# Altium PCB UltraZohm_Digital_Resolver.PcbDoc (part 1 of 3) (continued)
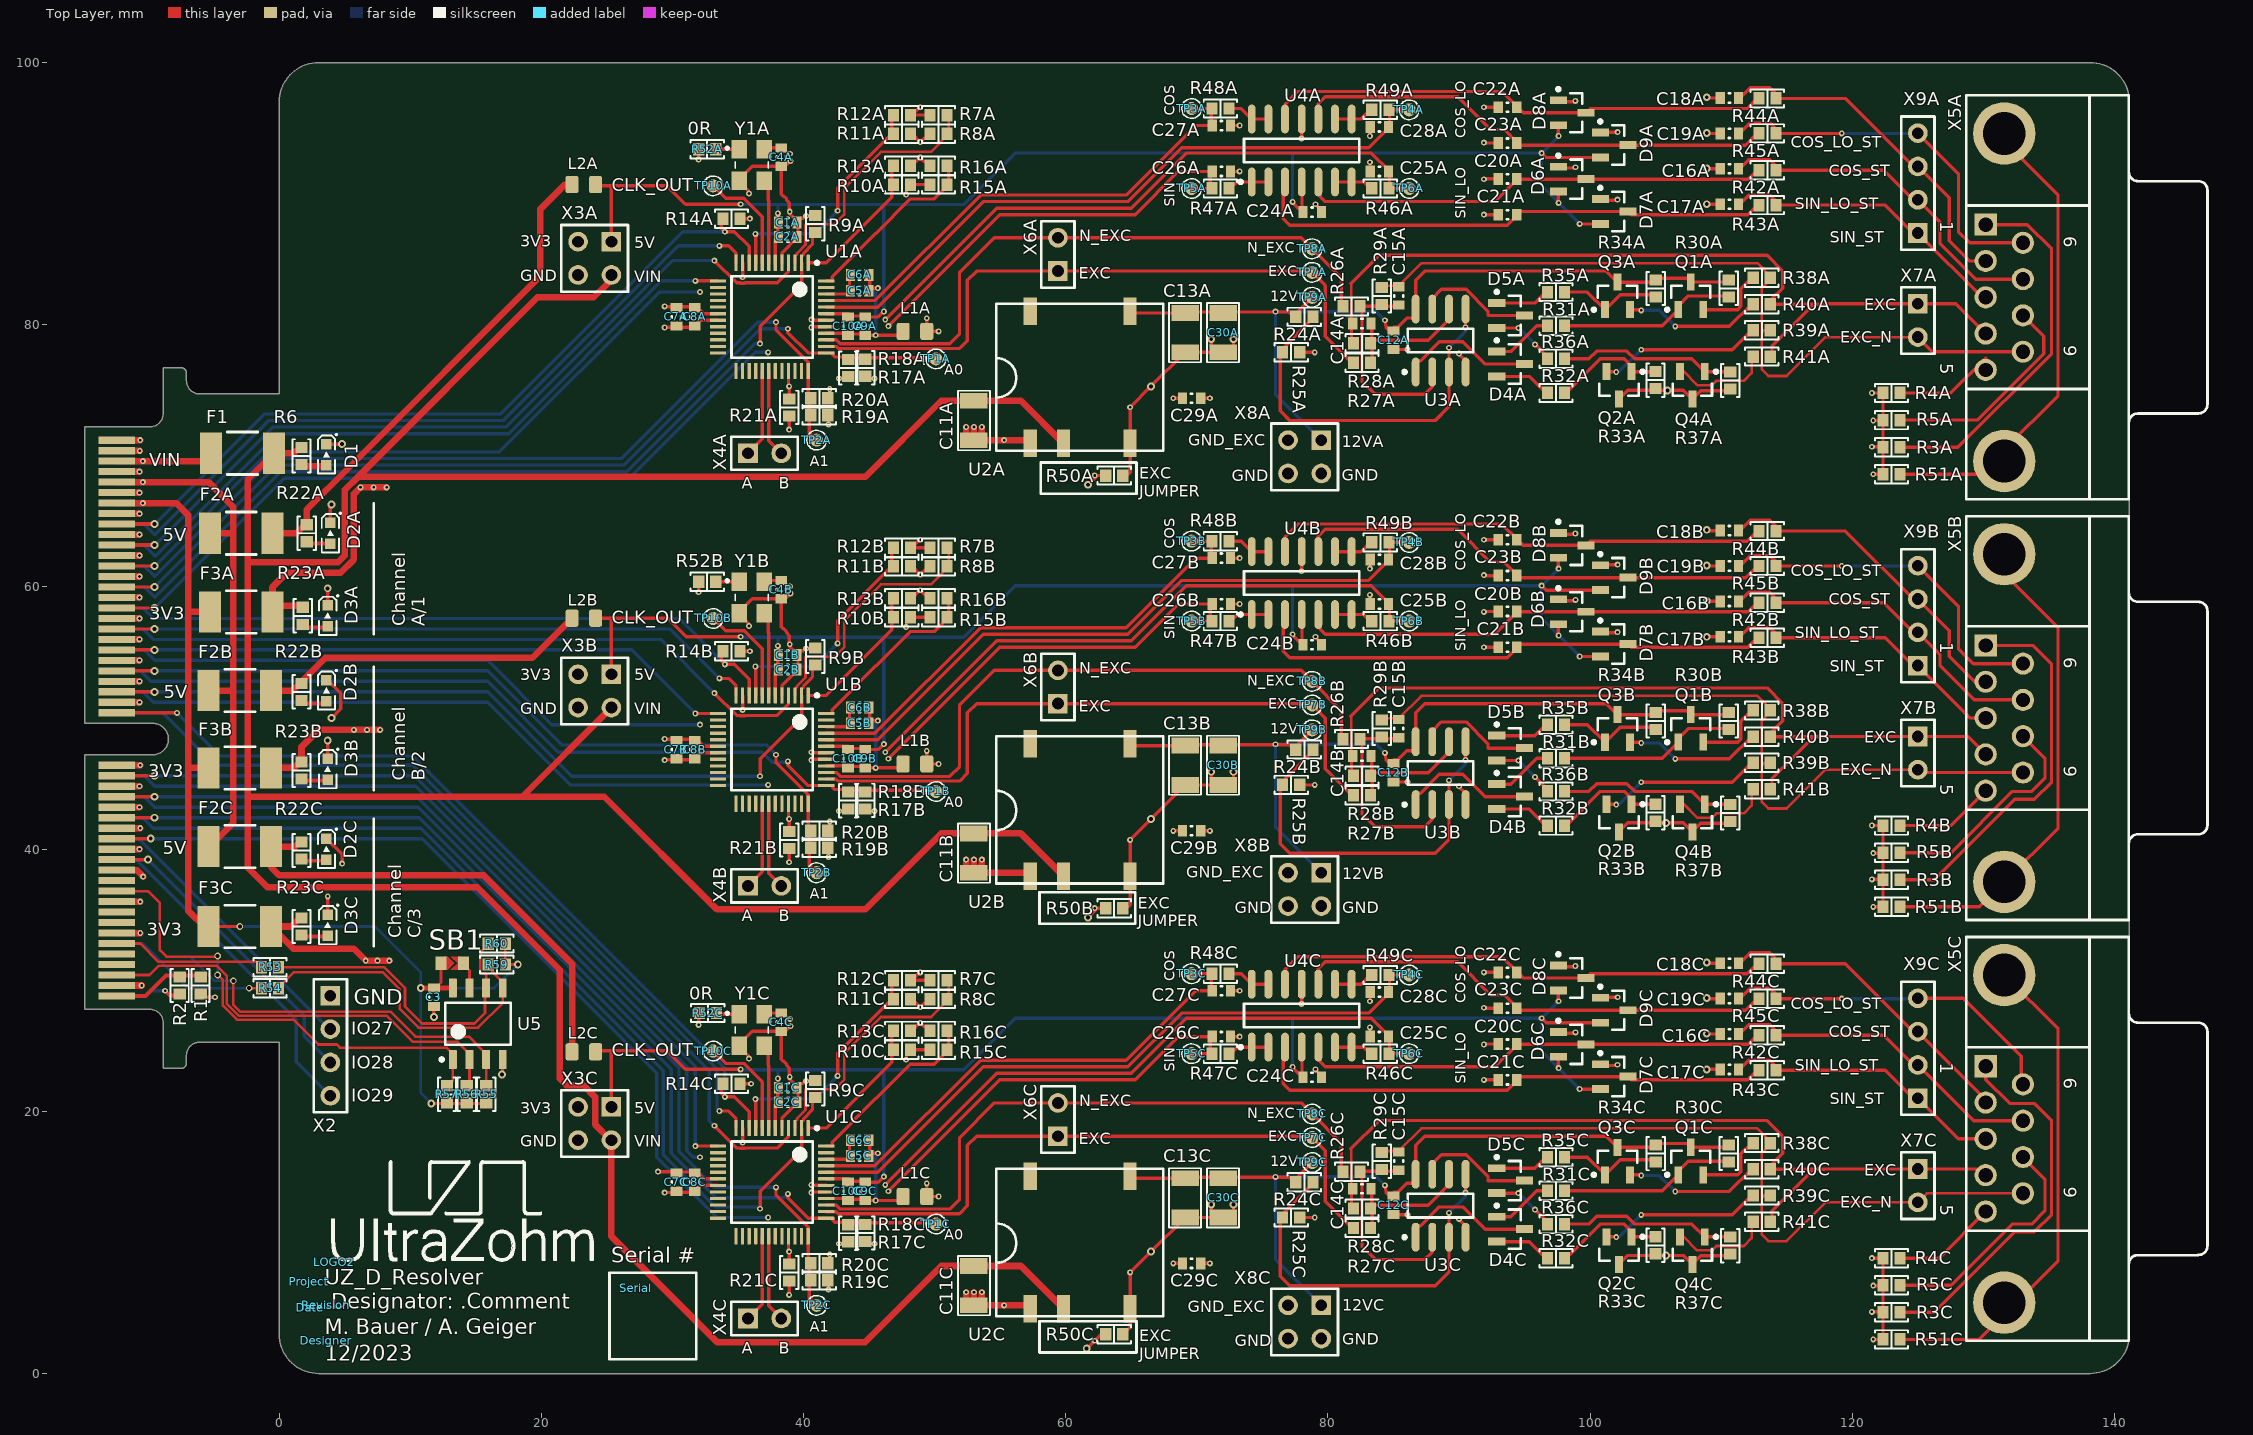
[diagram p0: Top Layer view]
## Design rules (kind name [scope] priority, off if disabled: settings) (continued)
RoutingLayers RoutingLayers_SingleEnded [InNetClass('15V_SingleEnded') or InNetClass('3V3_SingleEnded') or InNetClass('5V_SingleEnded')] p2 off: top layer_v5=TRUE mid layer 1_v5=TRUE mid layer 2_v5=TRUE bottom layer_v5=TRUE
RoutingLayers RoutingLayers_Differential [InNetClass('DifferentialSignals')] p3 off: top layer_v5=TRUE mid layer 1_v5=TRUE mid layer 2_v5=TRUE bottom layer_v5=FALSE
RoutingLayers [All] p4: top layer_v5=TRUE mid layer 1_v5=TRUE mid layer 2_v5=TRUE bottom layer_v5=TRUE
RoutingVias [All] p1: holewidth=0.3 width=0.5 viastyle="Through Hole" minholewidth=0.2 minwidth=0.45 maxholewidth=0.5 maxwidth=1
SolderMaskExpansion [All] p1: expansion=0.102 istentingtop=FALSE
UnRoutedNet UnRoutedNet_Signals [InNetClass('15V_SingleEnded') or InNetClass('3V3_SingleEnded') or InNetClass('5V_SingleEnded') or InNetClass('DifferentialSignals')] p1: checkbadconnections=TRUE
UnRoutedNet [All] p2: checkbadconnections=TRUE
Width Width_Power [InNetClass('Power')] p1: maxlimit=10 minlimit=0.2 preferedwidth=0.3 minimp=50.000000 maximp=50.000000 favimp=50.000000
Width [All] p2: maxlimit=10 minlimit=0.1 preferedwidth=0.3 midlayer1_prefwidth=0.15 midlayer2_prefwidth=0.15 minimp=50.000000 maximp=50.000000 favimp=50.000000
18 further rules are at their usual default settings.

## Classes and differential pairs
channel class "Resolver fuses": "U_Resolver fusesA" "U_Resolver fusesB" "U_Resolver fusesC"
component class "U_Resolver fusesC": D2C D3C F2C F3C L2C R22C R23C
component class "U_Resolver fusesB": D2B D3B F2B F3B L2B R22B R23B
component class "U_Resolver fusesA": D2A D3A F2A F3A L2A R22A R23A
net class Resolver_SDO[1..3]: Resolver_SDO1 Resolver_SDO2 Resolver_SDO3
net class Resolver_SDI[1..3]: Resolver_SDI1 Resolver_SDI2 Resolver_SDI3
net class Resolver_SCLK[1..3]: Resolver_SCLK1 Resolver_SCLK2 Resolver_SCLK3
net class N_SAMPLE[1..3]: N_SAMPLE1 N_SAMPLE2 N_SAMPLE3
net class FSYNC[1..3]: FSYNC1 FSYNC2 FSYNC3
net class A1_Resolver[1..3]: A1_Resolver1 A1_Resolver2 A1_Resolver3
net class A0_Resolver[1..3]: A0_Resolver1 A0_Resolver2 A0_Resolver3
net class \Resolver_CS[1..3]: \Resolver_CS1 \Resolver_CS2 \Resolver_CS3
net class \Reset_Resolver[1..3]: \Reset_Resolver1 \Reset_Resolver2 \Reset_Resolver3
channel class Resolver: U_ResolverA U_ResolverB U_ResolverC
channel class "Impedance converter": "Impedance ConverterA" "Impedance ConverterB" "Impedance ConverterC"
channel class Buffer_EXC: Buffer_EXCA Buffer_EXCB Buffer_EXCC
component class U_ResolverC: C1C C2C C4C C5C C6C C7C C8C C9C C10C C29C L1C R3C R4C R5C R7C R8C R9C R10C R11C R12C R13C R14C R15C R16C R17C R18C R19C R20C R21C R50C R51C R52C TP1C TP2C TP3C TP4C TP5C TP6C TP7C TP8C TP10C U1C X3C X4C X5C Y1C
component class U_ResolverB: C1B C2B C4B C5B C6B C7B C8B C9B C10B C29B L1B R3B R4B R5B R7B R8B R9B R10B R11B R12B R13B R14B R15B R16B R17B R18B R19B R20B R21B R50B R51B R52B TP1B TP2B TP3B TP4B TP5B TP6B TP7B TP8B TP10B U1B X3B X4B X5B Y1B
component class U_ResolverA: C1A C2A C4A C5A C6A C7A C8A C9A C10A C29A L1A R3A R4A R5A R7A R8A R9A R10A R11A R12A R13A R14A R15A R16A R17A R18A R19A R20A R21A R50A R51A R52A TP1A TP2A TP3A TP4A TP5A TP6A TP7A TP8A TP10A U1A X3A X4A X5A Y1A
component class "Impedance ConverterC": C16C C17C C18C C19C C20C C21C C22C C23C C24C C25C C26C C27C C28C D6C D7C D8C D9C R42C R43C R44C R45C R46C R47C R48C R49C U4C X9C
component class "Impedance ConverterB": C16B C17B C18B C19B C20B C21B C22B C23B C24B C25B C26B C27B C28B D6B D7B D8B D9B R42B R43B R44B R45B R46B R47B R48B R49B U4B X9B
component class "Impedance ConverterA": C16A C17A C18A C19A C20A C21A C22A C23A C24A C25A C26A C27A C28A D6A D7A D8A D9A F R42A R43A R44A R45A R46A R47A R48A R49A U4A X9A
component class Buffer_EXCC: C11C C12C C13C C14C C15C C30C D4C D5C Q1C Q2C Q3C Q4C R24C R25C R26C R27C R28C R29C R30C R31C R32C R33C R34C R35C R36C R37C R38C R39C R40C R41C TP9C U2C U3C X6C X7C X8C
component class Buffer_EXCB: C11B C12B C13B C14B C15B C30B D4B D5B Q1B Q2B Q3B Q4B R24B R25B R26B R27B R28B R29B R30B R31B R32B R33B R34B R35B R36B R37B R38B R39B R40B R41B TP9B U2B U3B X6B X7B X8B
component class Buffer_EXCA: C11A C12A C13A C14A C15A C30A D4A D5A Q1A Q2A Q3A Q4A R24A R25A R26A R27A R28A R29A R30A R31A R32A R33A R34A R35A R36A R37A R38A R39A R40A R41A TP9A U2A U3A X6A X7A X8A
component class DigitalCarrierJack: C3 D1 DigitalCarrierJack F1 R1 R2 R6 R53 R54 R55 R56 R57 R59 R60 SB1 U5 X1 X2

## Components (designator, comment, footprint, x,y, rotation, side; value= is the part's Value field where it differs from the comment)
C1A "4.7 µF" C_0603 38.8,87.8 r180 top (schematic designator C1)
C1B "4.7 µF" C_0603 38.8,54.8 r180 top (schematic designator C1)
C1C "4.7 µF" C_0603 38.8,21.8 r180 top (schematic designator C1)
C2A "10 nF" C_0603 38.8,86.7 r180 top (schematic designator C2)
C2B "10 nF" C_0603 38.8,53.7 r180 top (schematic designator C2)
C2C "10 nF" C_0603 38.8,20.7 r180 top (schematic designator C2)
C3 "100 nF" C_0603 11.8,28.7 r270 top
C4A "100 nF" C_0603 38.3,92.8 r90 top (schematic designator C4)
C4B "100 nF" C_0603 38.3,59.8 r90 top (schematic designator C4)
C4C "100 nF" C_0603 38.3,26.8 r90 top (schematic designator C4)
C5A "10 nF" C_0603 44.275,82.6 r0 top (schematic designator C5)
C5B "10 nF" C_0603 44.275,49.6 r0 top (schematic designator C5)
C5C "10 nF" C_0603 44.275,16.6 r0 top (schematic designator C5)
C6A "4.7 µF" C_0603 44.275,83.8 r180 top (schematic designator C6)
C6B "4.7 µF" C_0603 44.275,50.8 r180 top (schematic designator C6)
C6C "4.7 µF" C_0603 44.275,17.8 r180 top (schematic designator C6)
C7A "10 nF" C_0603 30.3,80.6 r90 top (schematic designator C7)
C7B "10 nF" C_0603 30.3,47.6 r90 top (schematic designator C7)
C7C "10 nF" C_0603 30.3,14.6 r90 top (schematic designator C7)
C8A "4.7 µF" C_0603 31.7,80.6 r90 top (schematic designator C8)
C8B "4.7 µF" C_0603 31.7,47.6 r90 top (schematic designator C8)
C8C "4.7 µF" C_0603 31.7,14.6 r90 top (schematic designator C8)
C9A "4.7 µF" C_0603 44.7,79.9 r270 top (schematic designator C9)
C9B "4.7 µF" C_0603 44.7,46.9 r270 top (schematic designator C9)
C9C "4.7 µF" C_0603 44.7,13.9 r270 top (schematic designator C9)
C10A "10 nF" C_0603 43.4,79.9 r270 top (schematic designator C10)
C10B "10 nF" C_0603 43.4,46.9 r270 top (schematic designator C10)
C10C "10 nF" C_0603 43.4,13.9 r270 top (schematic designator C10)
C11A "2.2uF" RES_1206 53,74.2 r180 top (schematic designator C11)
C11B "2.2uF" RES_1206 53,41.2 r180 top (schematic designator C11)
C11C "2.2uF" RES_1206 53,8.2 r180 top (schematic designator C11)
C12A "100 nF" C_0603 85,78.825 r270 top (schematic designator C12)
C12B "100 nF" C_0603 85,45.825 r270 top (schematic designator C12)
C12C "100 nF" C_0603 85,12.825 r270 top (schematic designator C12)
C13A "2.2uF" RES_1206 69.1,80.9 r180 top (schematic designator C13)
C13B "2.2uF" RES_1206 69.1,47.9 r180 top (schematic designator C13)
C13C "2.2uF" RES_1206 69.1,14.9 r180 top (schematic designator C13)
C14A "100 pF" C_0603 82.6,80.1 r180 top (schematic designator C14)
C14B "100 pF" C_0603 82.6,47.1 r180 top (schematic designator C14)
C14C "100 pF" C_0603 82.6,14.1 r180 top (schematic designator C14)
C15A "100 pF" C_0603 85.4,82.2 r90 top (schematic designator C15)
C15B "100 pF" C_0603 85.4,49.2 r90 top (schematic designator C15)
C15C "100 pF" C_0603 85.4,16.2 r90 top (schematic designator C15)
C16A "100 pF" C_0603 110.625,91.9 r180 top (schematic designator C16)
C16B "100 pF" C_0603 110.625,58.9 r180 top (schematic designator C16)
C16C "100 pF" C_0603 110.625,25.9 r180 top (schematic designator C16)
C17A "100 pF" C_0603 110.625,89.2 r180 top (schematic designator C17)
C17B "100 pF" C_0603 110.625,56.2 r180 top (schematic designator C17)
C17C "100 pF" C_0603 110.625,23.2 r180 top (schematic designator C17)
C18A "100 pF" C_0603 110.625,97.3 r180 top (schematic designator C18)
C18B "100 pF" C_0603 110.625,64.3 r180 top (schematic designator C18)
C18C "100 pF" C_0603 110.625,31.3 r180 top (schematic designator C18)
C19A "100 pF" C_0603 110.625,94.6 r180 top (schematic designator C19)
C19B "100 pF" C_0603 110.625,61.6 r180 top (schematic designator C19)
C19C "100 pF" C_0603 110.625,28.6 r180 top (schematic designator C19)
C20A "1 nF" C_0603 93.7,91.133 r180 top (schematic designator C20)
C20B "1 nF" C_0603 93.7,58.133 r180 top (schematic designator C20)
C20C "1 nF" C_0603 93.7,25.133 r180 top (schematic designator C20)
C21A "1 nF" C_0603 93.7,88.4 r180 top (schematic designator C21)
C21B "1 nF" C_0603 93.7,55.4 r180 top (schematic designator C21)
C21C "1 nF" C_0603 93.7,22.4 r180 top (schematic designator C21)
C22A "1 nF" C_0603 93.7,96.6 r180 top (schematic designator C22)
C22B "1 nF" C_0603 93.7,63.6 r180 top (schematic designator C22)
C22C "1 nF" C_0603 93.7,30.6 r180 top (schematic designator C22)
C23A "1 nF" C_0603 93.7,93.867 r180 top (schematic designator C23)
C23B "1 nF" C_0603 93.7,60.867 r180 top (schematic designator C23)
C23C "1 nF" C_0603 93.7,27.867 r180 top (schematic designator C23)
C24A "100 nF" C_0603 78.8,88.6 r0 top (schematic designator C24)
C24B "100 nF" C_0603 78.8,55.6 r0 top (schematic designator C24)
C24C "100 nF" C_0603 78.8,22.6 r0 top (schematic designator C24)
C25A "1 nF" C_0603 83.925,91.7 r180 top (schematic designator C25)
C25B "1 nF" C_0603 83.925,58.7 r180 top (schematic designator C25)
C25C "1 nF" C_0603 83.925,25.7 r180 top (schematic designator C25)
C26A "1 nF" C_0603 71.875,91.7 r0 top (schematic designator C26)
C26B "1 nF" C_0603 71.875,58.7 r0 top (schematic designator C26)
C26C "1 nF" C_0603 71.875,25.7 r0 top (schematic designator C26)
C27A "1 nF" C_0603 71.875,95.2 r0 top (schematic designator C27)
C27B "1 nF" C_0603 71.875,62.2 r0 top (schematic designator C27)
C27C "1 nF" C_0603 71.875,29.2 r0 top (schematic designator C27)
C28A "1 nF" C_0603 83.925,95.1 r180 top (schematic designator C28)
C28B "1 nF" C_0603 83.925,62.1 r180 top (schematic designator C28)
C28C "1 nF" C_0603 83.925,29.1 r180 top (schematic designator C28)
C29A "100 nF" C_0603 69.6,74.4 r180 top (schematic designator C29)
C29B "100 nF" C_0603 69.6,41.4 r180 top (schematic designator C29)
C29C "100 nF" C_0603 69.6,8.4 r180 top (schematic designator C29)
C30A "2.2uF" RES_1206 72,80.9 r180 top (schematic designator C30)
C30B "2.2uF" RES_1206 72,47.9 r180 top (schematic designator C30)
C30C "2.2uF" RES_1206 72,14.9 r180 top (schematic designator C30)
D1 "19-217/BHC-ZL1M2RY/3T" WL-SMCW_0603 3.6,70.1 r270 top
D2A "KT-0603R" WL-SMCW_0603 3.9,64.1 r270 top (schematic designator D2)
D2B "KT-0603R" WL-SMCW_0603 3.6,52.1 r270 top (schematic designator D2)
D2C "KT-0603R" WL-SMCW_0603 3.6,40 r270 top (schematic designator D2)
D3A "19-217/GHC-YR1S2/3T" WL-SMCW_0603 3.7,57.8 r270 top (schematic designator D3)
D3B "19-217/GHC-YR1S2/3T" WL-SMCW_0603 3.7,46.1 r270 top (schematic designator D3)
D3C "19-217/GHC-YR1S2/3T" WL-SMCW_0603 3.7,34.2 r270 top (schematic designator D3)
D4A "BAV99,235" SOT-23 94,77 r0 top (schematic designator D4)
D4B "BAV99,235" SOT-23 94,44 r0 top (schematic designator D4)
D4C "BAV99,235" SOT-23 94,11 r0 top (schematic designator D4)
D5A "BAV99,235" SOT-23 94,80.7 r0 top (schematic designator D5)
D5B "BAV99,235" SOT-23 94,47.7 r0 top (schematic designator D5)
D5C "BAV99,235" SOT-23 94,14.7 r0 top (schematic designator D5)
D6A "SBAS70-04LT1G" SOT-23 98.7,91.1 r0 top (schematic designator D6)
D6B "SBAS70-04LT1G" SOT-23 98.7,58.1 r0 top (schematic designator D6)
D6C "SBAS70-04LT1G" SOT-23 98.7,25.1 r0 top (schematic designator D6)
D7A "SBAS70-04LT1G" SOT-23 101.9,88.633 r0 top (schematic designator D7)
D7B "SBAS70-04LT1G" SOT-23 101.9,55.633 r0 top (schematic designator D7)
D7C "SBAS70-04LT1G" SOT-23 101.9,22.633 r0 top (schematic designator D7)
D8A "SBAS70-04LT1G" SOT-23 98.7,96.167 r0 top (schematic designator D8)
D8B "SBAS70-04LT1G" SOT-23 98.7,63.167 r0 top (schematic designator D8)
D8C "SBAS70-04LT1G" SOT-23 98.7,30.167 r0 top (schematic designator D8)
D9A "SBAS70-04LT1G" SOT-23 101.9,93.7 r0 top (schematic designator D9)
D9B "SBAS70-04LT1G" SOT-23 101.9,60.7 r0 top (schematic designator D9)
D9C "SBAS70-04LT1G" SOT-23 101.9,27.7 r0 top (schematic designator D9)
Date "12/2023" COMMENT 2.373,5 r0 top
Designer "M. Bauer / A. Geiger" Designator:comment 3.6,2.5 r0 top
F1 "Littelfuse_PTC_1812" 1812_PTC_Polyfuse_Littelfuse -2.8,70.2 r0 top value="PTC, 1.1 A, 24V"
F2A "Littelfuse_PTC_1812" 1812_PTC_Polyfuse_Littelfuse -2.9,64.1 r0 top value="PTC, 1.1 A, 24V" (schematic designator F2)
F2B "Littelfuse_PTC_1812" 1812_PTC_Polyfuse_Littelfuse -3,52.1 r0 top value="PTC, 1.1 A, 24V" (schematic designator F2)
F2C "Littelfuse_PTC_1812" 1812_PTC_Polyfuse_Littelfuse -3,40.2 r0 top value="PTC, 1.1 A, 24V" (schematic designator F2)
F3A "Littelfuse_PTC_1812" 1812_PTC_Polyfuse_Littelfuse -2.9,58.1 r0 top value="PTC, 1.1 A, 24V" (schematic designator F3)
F3B "Littelfuse_PTC_1812" 1812_PTC_Polyfuse_Littelfuse -3,46.2 r0 top value="PTC, 1.1 A, 24V" (schematic designator F3)
F3C "Littelfuse_PTC_1812" 1812_PTC_Polyfuse_Littelfuse -3,34.1 r0 top value="PTC, 1.1 A, 24V" (schematic designator F3)
L1A "UPZ2012E601-2R0TF" INDC2012X92N_V 48.5,79.5 r90 top value="90 Ohm" (schematic designator L1)
L1B "UPZ2012E601-2R0TF" INDC2012X92N_V 48.5,46.5 r90 top value="90 Ohm" (schematic designator L1)
L1C "UPZ2012E601-2R0TF" INDC2012X92N_V 48.5,13.5 r90 top value="90 Ohm" (schematic designator L1)
L2A "UPZ2012E601-2R0TF" INDC2012X92N_V 23.24,90.7 r270 top value="90 Ohm" (schematic designator L2)
L2B "UPZ2012E601-2R0TF" INDC2012X92N_V 23.24,57.62 r270 top value="90 Ohm" (schematic designator L2)
L2C "UPZ2012E601-2R0TF" INDC2012X92N_V 23.24,24.54 r270 top value="90 Ohm" (schematic designator L2)
LOGO1 "UZ Logo" UZ_Logo_large 98.2,41.5 r180 bottom
LOGO2 "UZ Logo" UZ_Logo_tiny 4.2,8.5 r0 top
Project "UZ_D_Resolver" COMMENT 2.273,7 r0 top
Q1A "BC846BLT3G" SOT-23 107.69,82.28 r90 top (schematic designator Q1)
Q1B "BC846BLT3G" SOT-23 107.69,49.28 r90 top (schematic designator Q1)
Q1C "BC846BLT3G" SOT-23 107.69,16.28 r90 top (schematic designator Q1)
Q2A "BC856B,215" SOT-23 102.19,75.305 r270 top (schematic designator Q2)
Q2B "BC856B,215" SOT-23 102.19,42.305 r270 top (schematic designator Q2)
Q2C "BC856B,215" SOT-23 102.19,9.305 r270 top (schematic designator Q2)
Q3A "BC846BLT3G" SOT-23 102.1,82.275 r90 top (schematic designator Q3)
Q3B "BC846BLT3G" SOT-23 102.1,49.275 r90 top (schematic designator Q3)
Q3C "BC846BLT3G" SOT-23 102.1,16.275 r90 top (schematic designator Q3)
Q4A "BC856B,215" SOT-23 107.79,75.305 r270 top (schematic designator Q4)
Q4B "BC856B,215" SOT-23 107.79,42.305 r270 top (schematic designator Q4)
Q4C "BC856B,215" SOT-23 107.79,9.305 r270 top (schematic designator Q4)
R1 "0R" "RES 0603_1608" -6,29.6 r90 top
R2 "0R" "RES 0603_1608" -7.6,29.6 r270 top
R3A "0R" "RES 0603_1608" 123,70.667 r180 top (schematic designator R3)
R3B "0R" "RES 0603_1608" 123,37.667 r180 top (schematic designator R3)
R3C "0R" "RES 0603_1608" 123,4.667 r180 top (schematic designator R3)
R4A "0R" "RES 0603_1608" 123,74.8 r180 top (schematic designator R4)
R4B "0R" "RES 0603_1608" 123,41.8 r180 top (schematic designator R4)
R4C "0R" "RES 0603_1608" 123,8.8 r180 top (schematic designator R4)
R5A "0R" "RES 0603_1608" 123,72.733 r180 top (schematic designator R5)
R5B "0R" "RES 0603_1608" 123,39.733 r180 top (schematic designator R5)
R5C "0R" "RES 0603_1608" 123,6.733 r180 top (schematic designator R5)
R6 "22k" "RES 0603_1608" 1.7,70 r90 top
R7A "10k" "RES 0603_1608" 50.3,96 r0 top (schematic designator R7)
R7B "10k" "RES 0603_1608" 50.3,63 r0 top (schematic designator R7)
R7C "10k" "RES 0603_1608" 50.3,30 r0 top (schematic designator R7)
R8A "10k" "RES 0603_1608" 50.3,94.567 r180 top (schematic designator R8)
R8B "10k" "RES 0603_1608" 50.3,61.567 r180 top (schematic designator R8)
R8C "10k" "RES 0603_1608" 50.3,28.567 r180 top (schematic designator R8)
R9A "10k" "RES 0603_1608" 40.9,87.7 r90 top (schematic designator R9)
R9B "10k" "RES 0603_1608" 40.9,54.7 r90 top (schematic designator R9)
R9C "10k" "RES 0603_1608" 40.9,21.7 r90 top (schematic designator R9)
R10A "10k" "RES 0603_1608" 47.5,90.7 r180 top (schematic designator R10)
R10B "10k" "RES 0603_1608" 47.5,57.7 r180 top (schematic designator R10)
R10C "10k" "RES 0603_1608" 47.5,24.7 r180 top (schematic designator R10)
R11A "10k" "RES 0603_1608" 47.5,94.567 r0 top (schematic designator R11)
R11B "10k" "RES 0603_1608" 47.5,61.567 r0 top (schematic designator R11)
R11C "10k" "RES 0603_1608" 47.5,28.567 r0 top (schematic designator R11)
R12A "10k" "RES 0603_1608" 47.5,96 r180 top (schematic designator R12)
R12B "10k" "RES 0603_1608" 47.5,63 r180 top (schematic designator R12)
R12C "10k" "RES 0603_1608" 47.5,30 r180 top (schematic designator R12)
R13A "10k" "RES 0603_1608" 47.5,92.133 r0 top (schematic designator R13)
R13B "10k" "RES 0603_1608" 47.5,59.133 r0 top (schematic designator R13)
R13C "10k" "RES 0603_1608" 47.5,26.133 r0 top (schematic designator R13)
R14A "10k" "RES 0603_1608" 34.5,88.1 r0 top (schematic designator R14)
R14B "10k" "RES 0603_1608" 34.5,55.1 r0 top (schematic designator R14)
R14C "10k" "RES 0603_1608" 34.5,22.1 r0 top (schematic designator R14)
R15A "10k" "RES 0603_1608" 50.3,90.7 r0 top (schematic designator R15)
R15B "10k" "RES 0603_1608" 50.3,57.7 r0 top (schematic designator R15)
R15C "10k" "RES 0603_1608" 50.3,24.7 r0 top (schematic designator R15)
R16A "10k" "RES 0603_1608" 50.3,92.133 r180 top (schematic designator R16)
R16B "10k" "RES 0603_1608" 50.3,59.133 r180 top (schematic designator R16)
R16C "10k" "RES 0603_1608" 50.3,26.133 r180 top (schematic designator R16)
R17A "10k" "RES 0603_1608" 44.7,76.72 r270 top (schematic designator R17)
R17B "10k" "RES 0603_1608" 44.7,43.72 r270 top (schematic designator R17)
R17C "10k" "RES 0603_1608" 44.7,10.72 r270 top (schematic designator R17)
R18A "10k" "RES 0603_1608" 43.4,76.7 r90 top (schematic designator R18)
R18B "10k" "RES 0603_1608" 43.4,43.7 r90 top (schematic designator R18)
R18C "10k" "RES 0603_1608" 43.4,10.7 r90 top (schematic designator R18)
R19A "10k" "RES 0603_1608" 41.2,73.1 r0 top (schematic designator R19)
R19B "10k" "RES 0603_1608" 41.2,40.1 r0 top (schematic designator R19)
R19C "10k" "RES 0603_1608" 41.2,7.1 r0 top (schematic designator R19)
R20A "10k" "RES 0603_1608" 41.2,74.4 r180 top (schematic designator R20)
R20B "10k" "RES 0603_1608" 41.2,41.4 r180 top (schematic designator R20)
R20C "10k" "RES 0603_1608" 41.2,8.4 r180 top (schematic designator R20)
R21A "10k" "RES 0603_1608" 38.9,73.7 r270 top (schematic designator R21)
R21B "10k" "RES 0603_1608" 38.9,40.7 r270 top (schematic designator R21)
R21C "10k" "RES 0603_1608" 38.9,7.7 r270 top (schematic designator R21)
R22A "4k7" "RES 0603_1608" 2.1,64.1 r90 top (schematic designator R22)
R22B "4k7" "RES 0603_1608" 1.7,52 r90 top (schematic designator R22)
R22C "4k7" "RES 0603_1608" 1.7,39.9 r90 top (schematic designator R22)
R23A "2k2" "RES 0603_1608" 1.8,57.8 r90 top (schematic designator R23)
R23B "2k2" "RES 0603_1608" 1.7,46 r90 top (schematic designator R23)
R23C "2k2" "RES 0603_1608" 1.7,34.1 r90 top (schematic designator R23)
R24A "22k" "RES 0603_1608" 78.2,80.6 r180 top (schematic designator R24)
R24B "22k" "RES 0603_1608" 78.2,47.6 r180 top (schematic designator R24)
R24C "22k" "RES 0603_1608" 78.2,14.6 r180 top (schematic designator R24)
R25A "10k" "RES 0603_1608" 77.2,77.9 r180 top (schematic designator R25)
R25B "10k" "RES 0603_1608" 77.2,44.9 r180 top (schematic designator R25)
R25C "10k" "RES 0603_1608" 77.2,11.9 r180 top (schematic designator R25)
R26A "10k" "RES 0603_1608" 81.8,81.4 r180 top (schematic designator R26)
R26B "10k" "RES 0603_1608" 81.8,48.4 r180 top (schematic designator R26)
R26C "10k" "RES 0603_1608" 81.8,15.4 r180 top (schematic designator R26)
R27A "10k" "RES 0603_1608" 82.6,77.1 r180 top (schematic designator R27)
R27B "10k" "RES 0603_1608" 82.6,44.1 r180 top (schematic designator R27)
R27C "10k" "RES 0603_1608" 82.6,11.1 r180 top (schematic designator R27)
R28A "15k" "RES 0603_1608" 82.6,78.588 r180 top (schematic designator R28)
R28B "15k" "RES 0603_1608" 82.6,45.588 r180 top (schematic designator R28)
R28C "15k" "RES 0603_1608" 82.6,12.588 r180 top (schematic designator R28)
R29A "15k" "RES 0603_1608" 84.1,82.2 r90 top (schematic designator R29)
R29B "15k" "RES 0603_1608" 84.1,49.2 r90 top (schematic designator R29)
R29C "15k" "RES 0603_1608" 84.1,16.2 r90 top (schematic designator R29)
R30A "2k2" "RES 0603_1608" 110.59,82.78 r90 top (schematic designator R30)
R30B "2k2" "RES 0603_1608" 110.59,49.78 r90 top (schematic designator R30)
R30C "2k2" "RES 0603_1608" 110.59,16.78 r90 top (schematic designator R30)
R31A "3.3R" "RES 0603_1608" 97.4,79.933 r0 top (schematic designator R31)
R31B "3.3R" "RES 0603_1608" 97.4,46.933 r0 top (schematic designator R31)
R31C "3.3R" "RES 0603_1608" 97.4,13.933 r0 top (schematic designator R31)
R32A "3.3R" "RES 0603_1608" 97.4,74.8 r0 top (schematic designator R32)
R32B "3.3R" "RES 0603_1608" 97.4,41.8 r0 top (schematic designator R32)
R32C "3.3R" "RES 0603_1608" 97.4,8.8 r0 top (schematic designator R32)
R33A "2k2" "RES 0603_1608" 104.99,75.78 r270 top (schematic designator R33)
R33B "2k2" "RES 0603_1608" 104.99,42.78 r270 top (schematic designator R33)
R33C "2k2" "RES 0603_1608" 104.99,9.78 r270 top (schematic designator R33)
R34A "2k2" "RES 0603_1608" 105,82.775 r90 top (schematic designator R34)
R34B "2k2" "RES 0603_1608" 105,49.775 r90 top (schematic designator R34)
R34C "2k2" "RES 0603_1608" 105,16.775 r90 top (schematic designator R34)
R35A "3.3R" "RES 0603_1608" 97.4,82.5 r0 top (schematic designator R35)
R35B "3.3R" "RES 0603_1608" 97.4,49.5 r0 top (schematic designator R35)
R35C "3.3R" "RES 0603_1608" 97.4,16.5 r0 top (schematic designator R35)
R36A "3.3R" "RES 0603_1608" 97.4,77.4 r0 top (schematic designator R36)
R36B "3.3R" "RES 0603_1608" 97.4,44.4 r0 top (schematic designator R36)
R36C "3.3R" "RES 0603_1608" 97.4,11.4 r0 top (schematic designator R36)
R37A "2k2" "RES 0603_1608" 110.69,75.755 r270 top (schematic designator R37)
R37B "2k2" "RES 0603_1608" 110.69,42.755 r270 top (schematic designator R37)
R37C "2k2" "RES 0603_1608" 110.69,9.755 r270 top (schematic designator R37)
R38A "4.7R" "RES 0603_1608" 113.1,83.58 r0 top (schematic designator R38)
R38B "4.7R" "RES 0603_1608" 113.1,50.58 r0 top (schematic designator R38)
R38C "4.7R" "RES 0603_1608" 113.1,17.58 r0 top (schematic designator R38)
R39A "4.7R" "RES 0603_1608" 113.1,79.58 r180 top (schematic designator R39)
R39B "4.7R" "RES 0603_1608" 113.1,46.58 r180 top (schematic designator R39)
R39C "4.7R" "RES 0603_1608" 113.1,13.58 r180 top (schematic designator R39)
R40A "4.7R" "RES 0603_1608" 113.1,81.58 r0 top (schematic designator R40)
R40B "4.7R" "RES 0603_1608" 113.1,48.58 r0 top (schematic designator R40)
R40C "4.7R" "RES 0603_1608" 113.1,15.58 r0 top (schematic designator R40)
R41A "4.7R" "RES 0603_1608" 113.1,77.58 r180 top (schematic designator R41)
R41B "4.7R" "RES 0603_1608" 113.1,44.58 r180 top (schematic designator R41)
R41C "4.7R" "RES 0603_1608" 113.1,11.58 r180 top (schematic designator R41)
R42A "100R" "RES 0603_1608" 113.525,91.8 r180 top (schematic designator R42)
R42B "100R" "RES 0603_1608" 113.525,58.8 r180 top (schematic designator R42)
R42C "100R" "RES 0603_1608" 113.525,25.8 r180 top (schematic designator R42)
R43A "100R" "RES 0603_1608" 113.525,89.133 r180 top (schematic designator R43)
R43B "100R" "RES 0603_1608" 113.525,56.133 r180 top (schematic designator R43)
R43C "100R" "RES 0603_1608" 113.525,23.133 r180 top (schematic designator R43)
R44A "100R" "RES 0603_1608" 113.525,97.267 r180 top (schematic designator R44)
R44B "100R" "RES 0603_1608" 113.525,64.267 r180 top (schematic designator R44)
R44C "100R" "RES 0603_1608" 113.525,31.267 r180 top (schematic designator R44)
R45A "100R" "RES 0603_1608" 113.525,94.6 r180 top (schematic designator R45)
R45B "100R" "RES 0603_1608" 113.525,61.6 r180 top (schematic designator R45)
R45C "100R" "RES 0603_1608" 113.525,28.6 r180 top (schematic designator R45)
R46A "4k7" "RES 0603_1608" 84,90.4 r0 top (schematic designator R46)
R46B "4k7" "RES 0603_1608" 84,57.4 r0 top (schematic designator R46)
R46C "4k7" "RES 0603_1608" 84,24.4 r0 top (schematic designator R46)
R47A "4k7" "RES 0603_1608" 71.8,90.4 r180 top (schematic designator R47)
R47B "4k7" "RES 0603_1608" 71.8,57.4 r180 top (schematic designator R47)
R47C "4k7" "RES 0603_1608" 71.8,24.4 r180 top (schematic designator R47)
R48A "4k7" "RES 0603_1608" 71.8,96.5 r180 top (schematic designator R48)
R48B "4k7" "RES 0603_1608" 71.8,63.5 r180 top (schematic designator R48)
R48C "4k7" "RES 0603_1608" 71.8,30.5 r180 top (schematic designator R48)
R49A "4k7" "RES 0603_1608" 84,96.4 r0 top (schematic designator R49)
R49B "4k7" "RES 0603_1608" 84,63.4 r0 top (schematic designator R49)
R49C "4k7" "RES 0603_1608" 84,30.4 r0 top (schematic designator R49)
R50A "0R" "RES 0603_1608" 63.7,68.5 r180 top (schematic designator R50)
R50B "0R" "RES 0603_1608" 63.7,35.5 r180 top (schematic designator R50)
R50C "0R" "RES 0603_1608" 63.7,3 r180 top (schematic designator R50)
R51A "0R" "RES 0603_1608" 123,68.6 r0 top (schematic designator R51)
R51B "0R" "RES 0603_1608" 123,35.6 r0 top (schematic designator R51)
R51C "0R" "RES 0603_1608" 123,2.6 r0 top (schematic designator R51)
R52A "0R" "RES 0603_1608" 32.65,93.4 r180 top (schematic designator R52)
R52B "0R" "RES 0603_1608" 32.65,60.4 r180 top (schematic designator R52)
R52C "0R" "RES 0603_1608" 32.7,27.5 r180 top (schematic designator R52)
R53 "0R" "RES 0603_1608" -0.7,31 r180 top
R54 "0R" "RES 0603_1608" -0.7,29.4 r0 top
R55 "4k7" "RES 0603_1608" 15.8,21.3 r270 top
R56 "4k7" "RES 0603_1608" 14.3,21.3 r270 top
R57 "4k7" "RES 0603_1608" 12.8,21.3 r270 top
R59 "100k" "RES 0603_1608" 16.6,31.2 r0 top
R60 "100k" "RES 0603_1608" 16.6,32.8 r0 top
Revision "Rev02" Designator:comment 3.6,5.2 r0 top
SB1 "Solder Bump 0603" SB_0603 13.2,31.3 r180 top
Serial "Serial #" SERIAL 27.2,6.5 r0 top
TP1A "A0" TP_1mm 50.1,77.4 r90 top value="Testpoint 1mm" (schematic designator TP1)
TP1B "A0" TP_1mm 50.1,44.4 r90 top value="Testpoint 1mm" (schematic designator TP1)
TP1C "A0" TP_1mm 50.1,11.4 r90 top value="Testpoint 1mm" (schematic designator TP1)
TP2A "A1" TP_1mm 41,71.2 r90 top value="Testpoint 1mm" (schematic designator TP2)
TP2B "A1" TP_1mm 41,38.2 r90 top value="Testpoint 1mm" (schematic designator TP2)
TP2C "A1" TP_1mm 41,5.2 r90 top value="Testpoint 1mm" (schematic designator TP2)
TP3A "COS" TP_1mm 69.6,96.5 r270 top value="Testpoint 1mm" (schematic designator TP3)
TP3B "COS" TP_1mm 69.6,63.5 r270 top value="Testpoint 1mm" (schematic designator TP3)
TP3C "COS" TP_1mm 69.6,30.5 r270 top value="Testpoint 1mm" (schematic designator TP3)
TP4A "COS_LO" TP_1mm 86.2,96.4 r270 top value="Testpoint 1mm" (schematic designator TP4)
TP4B "COS_LO" TP_1mm 86.2,63.4 r270 top value="Testpoint 1mm" (schematic designator TP4)
TP4C "COS_LO" TP_1mm 86.2,30.4 r270 top value="Testpoint 1mm" (schematic designator TP4)
TP5A "SIN" TP_1mm 69.6,90.4 r270 top value="Testpoint 1mm" (schematic designator TP5)
TP5B "SIN" TP_1mm 69.6,57.4 r270 top value="Testpoint 1mm" (schematic designator TP5)
TP5C "SIN" TP_1mm 69.6,24.4 r270 top value="Testpoint 1mm" (schematic designator TP5)
TP6A "SIN_LO" TP_1mm 86.2,90.4 r180 top value="Testpoint 1mm" (schematic designator TP6)
TP6B "SIN_LO" TP_1mm 86.2,57.4 r180 top value="Testpoint 1mm" (schematic designator TP6)
TP6C "SIN_LO" TP_1mm 86.2,24.4 r180 top value="Testpoint 1mm" (schematic designator TP6)
TP7A "EXC" TP_1mm 78.8,84 r270 top value="Testpoint 1mm" (schematic designator TP7)
TP7B "EXC" TP_1mm 78.8,51 r270 top value="Testpoint 1mm" (schematic designator TP7)
TP7C "EXC" TP_1mm 78.8,18 r270 top value="Testpoint 1mm" (schematic designator TP7)
TP8A "N_EXC" TP_1mm 78.8,85.8 r0 top value="Testpoint 1mm" (schematic designator TP8)
TP8B "N_EXC" TP_1mm 78.8,52.8 r0 top value="Testpoint 1mm" (schematic designator TP8)
TP8C "N_EXC" TP_1mm 78.8,19.8 r0 top value="Testpoint 1mm" (schematic designator TP8)
TP9A "12V" TP_1mm 78.8,82.1 r90 top value="Testpoint 1mm" (schematic designator TP9)
TP9B "12V" TP_1mm 78.8,49.1 r90 top value="Testpoint 1mm" (schematic designator TP9)
TP9C "12V" TP_1mm 78.8,16.1 r90 top value="Testpoint 1mm" (schematic designator TP9)
TP10A "CLK_OUT" TP_1mm 33.1,90.6 r90 top value="Testpoint 1mm" (schematic designator TP10)
TP10B "CLK_OUT" TP_1mm 33.1,57.6 r90 top value="Testpoint 1mm" (schematic designator TP10)
TP10C "CLK_OUT" TP_1mm 33.1,24.6 r90 top value="Testpoint 1mm" (schematic designator TP10)
U1A "AD2S1210" LQFP-48_L 37.6,80.6 r270 top (schematic designator U1)
U1B "AD2S1210" LQFP-48_L 37.6,47.6 r270 top (schematic designator U1)
U1C "AD2S1210" LQFP-48_L 37.6,14.6 r270 top (schematic designator U1)
U2A "PDS1-S24-S12-M-TR" "DC/DC 24V-->12V 1W Aislado" 61.1,76 r0 top (schematic designator U2)
U2B "PDS1-S24-S12-M-TR" "DC/DC 24V-->12V 1W Aislado" 61.1,43 r0 top (schematic designator U2)
U2C "PDS1-S24-S12-M-TR" "DC/DC 24V-->12V 1W Aislado" 61.1,10 r0 top (schematic designator U2)
U3A "AD8662ARZ" SOIC8_N 88.6,78.8 r270 top (schematic designator U3)
U3B "AD8662ARZ" SOIC8_N 88.6,45.8 r270 top (schematic designator U3)
U3C "AD8662ARZ" SOIC8_N 88.6,12.8 r270 top (schematic designator U3)
U4A "LT1639HS#PBF" SOIC-14 78,93.3 r90 top (schematic designator U4)
U4B "LT1639HS#PBF" SOIC-14 78,60.3 r90 top (schematic designator U4)
U4C "LT1639HS#PBF" SOIC-14 78,27.3 r90 top (schematic designator U4)
U5 "M24C02-WMN6TP" D0008A_N 15.153,26.679 r90 top
X1 "HSEC8-150-01-XX-DV-A-BL-CARD" HSEC8-150-01-XX-DV-A-BL-CARD -14.8,50 r270 bottom
X2 "Header 4" HDR1X4 3.9,28.81 r270 top
X3A "Header 2X2" HDR2X2 25.34,86.34 r180 top (schematic designator X3)
X3B "Header 2X2" HDR2X2 25.34,53.34 r180 top (schematic designator X3)
X3C "Header 2X2" HDR2X2 25.34,20.34 r180 top (schematic designator X3)
X4A "Header 2" HDR1X2 35.76,70.2 r0 top (schematic designator X4)
X4B "Header 2" HDR1X2 35.76,37.2 r0 top (schematic designator X4)
X4C "Header 2" HDR1X2 35.76,4.2 r0 top (schematic designator X4)
X5A "DSUB1.385-2H9" DSUB1.385-2H9 141.1,82.1 r270 top locked (schematic designator X5)
X5B "DSUB1.385-2H9" DSUB1.385-2H9 141.1,50 r270 top locked (schematic designator X5)
X5C "DSUB1.385-2H9" DSUB1.385-2H9 141.1,17.9 r270 top locked (schematic designator X5)
X6A "Header 2" HDR1X2 59.4,84.1 r90 top (schematic designator X6)
X6B "Header 2" HDR1X2 59.4,51.1 r90 top (schematic designator X6)
X6C "Header 2" HDR1X2 59.4,18.1 r90 top (schematic designator X6)
X7A "Header 2" HDR1X2 125,81.6 r270 top (schematic designator X7)
X7B "Header 2" HDR1X2 125,48.6 r270 top (schematic designator X7)
X7C "Header 2" HDR1X2 125,15.6 r270 top (schematic designator X7)
X8A "Header 2X2" HDR2X2 79.5,71.2 r180 top (schematic designator X8)
X8B "Header 2X2" HDR2X2 79.5,38.2 r180 top (schematic designator X8)
X8C "Header 2X2" HDR2X2 79.5,5.2 r180 top (schematic designator X8)
X9A "Header 4" HDR1X4 125,87 r90 top (schematic designator X9)
X9B "Header 4" HDR1X4 125,54 r90 top (schematic designator X9)
X9C "Header 4" HDR1X4 125,21 r90 top (schematic designator X9)
Y1A "SG-8018CE 8.1920M" OSCCC320X250X120N 36.05,92.2 r270 top (schematic designator Y1)
Y1B "SG-8018CE 8.1920M" OSCCC320X250X120N 36.05,59.2 r270 top (schematic designator Y1)
Y1C "SG-8018CE 8.1920M" OSCCC320X250X120N 36.05,26.2 r270 top (schematic designator Y1)

## Footprints (in the part's own frame and the unit in brackets; to place one, negate y for a bottom-side part, rotate by r counter-clockwise, add the part's x,y. Pads: shape width x height; smd on the part's side, far side on the other; paste and mask are expansions set on the pad)
1812_PTC_Polyfuse_Littelfuse [mm] "Chip Fuse, 2-Leads, Body 4.6x3.24mm"
  rect 1.68x3.14 smd: 1(-2.39,0) 2(2.39,0)
  silkscreen extent -1.15,-1.62 1.15,1.62, body extent -2.3,-1.62 2.3,1.62, height 1.15
C_0603 [mm] "Chip Capacitor, Body 1.6x0.8mm, Height 1.0mm, IPC High Density"
  rect 0.7x0.9 smd: 1(-0.7,0) 2(0.7,0)
  silkscreen extent -0.05,-0.35 0.05,0.35, body extent -0.87,-0.47 0.88,0.48, height 1
COMMENT [mm] "prints out the comment of a component"
D0008A_N [mm] "SOIC, 8-Leads, Body 5x4mm, Pitch 1.27mm, IPC Medium Density"
  rrect17% 1.45x0.6 smd: 1(-2.725,1.905) 2(-2.725,0.635) 3(-2.725,-0.635) 4(-2.725,-1.905) 5(2.725,-1.905) 6(2.725,-0.635) 7(2.725,0.635) 8(2.725,1.905)
  silkscreen extent -2.85,-2.5 1.6,2.88, body extent -3,-2.45 3,2.45, height 1.63
"DC/DC 24V-->12V 1W Aislado" [mm] "CUI Inc. P/N: PDS1-S24-S12-M-TR"
  rect 1x2.1 smd: 1(-3.81,-5.05) 2(-1.27,-5.05) 4(3.81,-5.05) 5(3.81,5.05) 8(-3.81,5.05)
  silkscreen extent -6.39,-5.62 6.35,5.62, body extent -6.35,-5.62 6.35,5.62, height 7
Designator:comment [mm] "prints out designator and comment of a component"
DSUB1.385-2H9 [mm] "Connector; D Subminiature; 9 Position; Right Angle; Pitch 1.385 mm"
  rect 1.69x1.69 hole 1.09: 1(-5.54,-10.92)
  round 1.69 hole 1.09: 2(-2.77,-10.92) 3(0,-10.92) 4(2.77,-10.92) 5(5.54,-10.92) 6(-4.155,-8.08) 7(-1.385,-8.08) 8(1.385,-8.08) 9(4.155,-8.08)
  round 4.76 hole 3.26: 10(-12.495,-9.5) 11(12.495,-9.5)
  silkscreen extent -15.4,-12.4 15.4,6, body extent -15.4,-12.2 15.41,6, height 12.8
HDR1X2 [mm] "Connector; Header; 2 Position"
  rect 1.5x1.5 hole 0.9: 1(0,0)
  round 1.5 hole 0.9: 2(2.54,0)
  silkscreen extent -1.27,-1.27 3.81,1.27
HDR1X4 [mm] "Connector; Header; 4 Position"
  rect 1.5x1.5 hole 0.9: 1(0,0)
  round 1.5 hole 0.9: 2(2.54,0) 3(5.08,0) 4(7.62,0)
  silkscreen extent -1.27,-1.27 8.89,1.27
HDR2X2 [mm] "Connector; Header; 2x2 Position"
  rect 1.5x1.5 hole 0.9: 1(0,0)
  round 1.5 hole 0.9: 2(0,2.54) 3(2.54,0) 4(2.54,2.54)
  silkscreen extent -1.27,-1.27 3.81,3.81
HSEC8-150-01-XX-DV-A-BL-CARD [mm]
  rect 0.55x2.8 smd far side mask+0.05: 1(-21.2,-2.4) 3(-20.4,-2.4) 5(-19.6,-2.4) 7(-18.8,-2.4) 9(-18,-2.4) 11(-17.2,-2.4) 13(-16.4,-2.4) 15(-15.6,-2.4) 17(-14.8,-2.4) 19(-14,-2.4) 21(-13.2,-2.4) 23(-12.4,-2.4) 25(-11.6,-2.4) 27(-10.8,-2.4) 29(-10,-2.4) 31(-9.2,-2.4) 33(-8.4,-2.4) 35(-7.6,-2.4) 37(-6.8,-2.4) 39(-6,-2.4) 41(-5.2,-2.4) 43(-4.4,-2.4) 45(-3.6,-2.4) 47(-2.8,-2.4) 49(-2,-2.4) 51(-1.2,-2.4) 53(-0.4,-2.4) 55(3.6,-2.4) 57(4.4,-2.4) 59(5.2,-2.4) 61(6,-2.4) 63(6.8,-2.4) 65(7.6,-2.4) 67(8.4,-2.4) 69(9.2,-2.4) 71(10,-2.4) 73(10.8,-2.4) 75(11.6,-2.4) 77(12.4,-2.4) 79(13.2,-2.4) 81(14,-2.4) 83(14.8,-2.4) 85(15.6,-2.4) 87(16.4,-2.4) 89(17.2,-2.4) 91(18,-2.4) 93(18.8,-2.4) 95(19.6,-2.4) 97(20.4,-2.4) 99(21.2,-2.4)
  rect 0.55x2.8 smd mask+0.05: 2(-21.2,-2.4) 4(-20.4,-2.4) 6(-19.6,-2.4) 8(-18.8,-2.4) 10(-18,-2.4) 12(-17.2,-2.4) 14(-16.4,-2.4) 16(-15.6,-2.4) 18(-14.8,-2.4) 20(-14,-2.4) 22(-13.2,-2.4) 24(-12.4,-2.4) 26(-11.6,-2.4) 28(-10.8,-2.4) 30(-10,-2.4) 32(-9.2,-2.4) 34(-8.4,-2.4) 36(-7.6,-2.4) 38(-6.8,-2.4) 40(-6,-2.4) 42(-5.2,-2.4) 44(-4.4,-2.4) 46(-3.6,-2.4) 48(-2.8,-2.4) 50(-2,-2.4) 52(-1.2,-2.4) 54(-0.4,-2.4) 56(3.6,-2.4) 58(4.4,-2.4) 60(5.2,-2.4) 62(6,-2.4) 64(6.8,-2.4) 66(7.6,-2.4) 68(8.4,-2.4) 70(9.2,-2.4) 72(10,-2.4) 74(10.8,-2.4) 76(11.6,-2.4) 78(12.4,-2.4) 80(13.2,-2.4) 82(14,-2.4) 84(14.8,-2.4) 86(15.6,-2.4) 88(16.4,-2.4) 90(17.2,-2.4) 92(18,-2.4) 94(18.8,-2.4) 96(19.6,-2.4) 98(20.4,-2.4) 100(21.2,-2.4)
INDC2012X92N_V [mm] "Chip Inductor, 2-Leads, Body 2,0x1,2mm, IPC Medium Density"
  rrect33% 1.31x1 smd: 1(0,0.9) 2(0,-0.9)
  body extent -0.6,-1 0.6,1, height 0.91
LQFP-48_L [mm] "QFP, 48-Leads, Body 7x7mm, Pitch 0.5mm, IPC High Density"
  rrect40% 1.25x0.25 smd: 1(-4.125,2.75) 2(-4.125,2.25) 3(-4.125,1.75) 4(-4.125,1.25) 5(-4.125,0.75) 6(-4.125,0.25) 7(-4.125,-0.25) 8(-4.125,-0.75) 9(-4.125,-1.25) 10(-4.125,-1.75) 11(-4.125,-2.25) 12(-4.125,-2.75) 25(4.125,-2.75) 26(4.125,-2.25) 27(4.125,-1.75) 28(4.125,-1.25) 29(4.125,-0.75) 30(4.125,-0.25) 31(4.125,0.25) 32(4.125,0.75) 33(4.125,1.25) 34(4.125,1.75) 35(4.125,2.25) 36(4.125,2.75)
  rrect40% 0.25x1.25 smd: 13(-2.75,-4.125) 14(-2.25,-4.125) 15(-1.75,-4.125) 16(-1.25,-4.125) 17(-0.75,-4.125) 18(-0.25,-4.125) 19(0.25,-4.125) 20(0.75,-4.125) 21(1.25,-4.125) 22(1.75,-4.125) 23(2.25,-4.125) 24(2.75,-4.125) 37(2.75,4.125) 38(2.25,4.125) 39(1.75,4.125) 40(1.25,4.125) 41(0.75,4.125) 42(0.25,4.125) 43(-0.25,4.125) 44(-0.75,4.125) 45(-1.25,4.125) 46(-1.75,4.125) 47(-2.25,4.125) 48(-2.75,4.125)
  silkscreen extent -4.25,-3.1 3.1,3.55, body extent -4.51,-4.51 4.51,4.51, height 1.5
OSCCC320X250X120N [mm]
  rect 1.4x1.2 smd: 1(-1.2,-0.95) 2(1.2,-0.95) 3(1.2,0.95) 4(-1.2,0.95)
  silkscreen extent -1.37,-1.97 0.25,1.25, body extent -1.62,-1.27 1.62,1.27, height 1.03
"RES 0603_1608" [mm] "Chip Resistor, 2-Leads, Body 1.60x0.80mm, IPC Medium Density"
  rect 0.85x0.95 smd: 1(-0.65,0) 2(0.65,0)
  silkscreen extent -1.27,-0.7 1.27,0.7, body extent -0.8,-0.4 0.8,0.4, height 0.45
RES_1206 [mm] "RES 1206"
  rect 2.1x1.2 smd: 1(0,0) 2(0,3)
  silkscreen extent -1.22,-0.76 1.22,3.76, body extent -0.8,-0.08 0.8,3.12, height 0.6
SB_0603 [mil] "Solder Bump"
  rect 32x40 smd: 1(33.75,0) 2(-33.75,0)
  Top Layer region: 23.75,20 13.75,20 -6.25,0 13.75,-20 23.75,-20
  Top Layer region: -26.25,0 -16.25,0 3.75,20 -26.25,20
  Top Layer region: -26.25,0 -16.25,0 3.75,-20 -26.25,-20
SERIAL [mm]
  silkscreen extent -2,-5.4 4.6,1.2
SOIC8_N [mm] "SOIC, 8-Leads, Body 4.9x3.9mm, Pitch 1.27mm, IPC Medium Density"
  oval 2.2x0.6 smd: 1(2.4,-1.905) 2(2.4,-0.635) 3(2.4,0.635) 4(2.4,1.905) 5(-2.4,1.905) 6(-2.4,0.635) 7(-2.4,-0.635) 8(-2.4,-1.905)
  silkscreen extent -0.9,-2.88 2.52,2.5, body extent -3.1,-2.5 3.1,2.5, height 1.76
SOIC-14 [mm] "SOIC, 14-Leads, Body 8.7x3.9mm, Pitch 1.27mm, IPC Medium Density"
  oval 2.2x0.6 smd: 1(-2.4,3.81) 2(-2.4,2.54) 3(-2.4,1.27) 4(-2.4,0) 5(-2.4,-1.27) 6(-2.4,-2.54) 7(-2.4,-3.81) 8(2.4,-3.81) 9(2.4,-2.54) 10(2.4,-1.27) 11(2.4,0) 12(2.4,1.27) 13(2.4,2.54) 14(2.4,3.81)
  silkscreen extent -2.52,-4.4 0.9,4.78, body extent -3,-4.48 3,4.48, height 1.5
SOT-23 [mm] "SOT23, 3-Leads, Body 2.9x1.3mm, Pitch 0.95mm, Lead Span 2.5mm, IPC Medium Density"
  rect 1.3x0.6 smd: 1(-1.12,0.96) 2(-1.12,-0.94) 3(0.98,0.01)
  silkscreen extent -1.24,-1.49 0.7,1.93, body extent -1.42,-1.5 1.42,1.5, height 1.2
TP_1mm [mm]
  round 1 smd paste-1: 1(0,0)
  silkscreen extent -0.75,-0.75 0.75,0.75
UZ_Logo_large [mm] "logo width 6cm"
  silkscreen extent -0.3,-0.06 59.86,23.1
UZ_Logo_tiny [mm] "logo width 2cm"
  silkscreen extent -0.2,0.06 19.75,7.74
WL-SMCW_0603 [mm] "SMD Mono-color Chip LED, body 1.6x0.8mm"
  rect 0.8x0.8 smd: 1(-0.8,0) 2(0.8,0)
  silkscreen extent -1.59,-0.65 1.45,0.83, body extent -0.8,-0.4 0.8,0.4, height 0.7